# Altium PCB Battery_Converter.PcbDoc (part 2 of 2)
Units mm, origin at the board's own origin, x right, y up, seen from the top; angles counter-clockwise.
Board outline 240.65 x 121.03 mm, 2 copper layers (Power Layer, Signal Layer), stack 0.532 mm thick; 177 components, 92 nets, 492 pads, 60 vias.
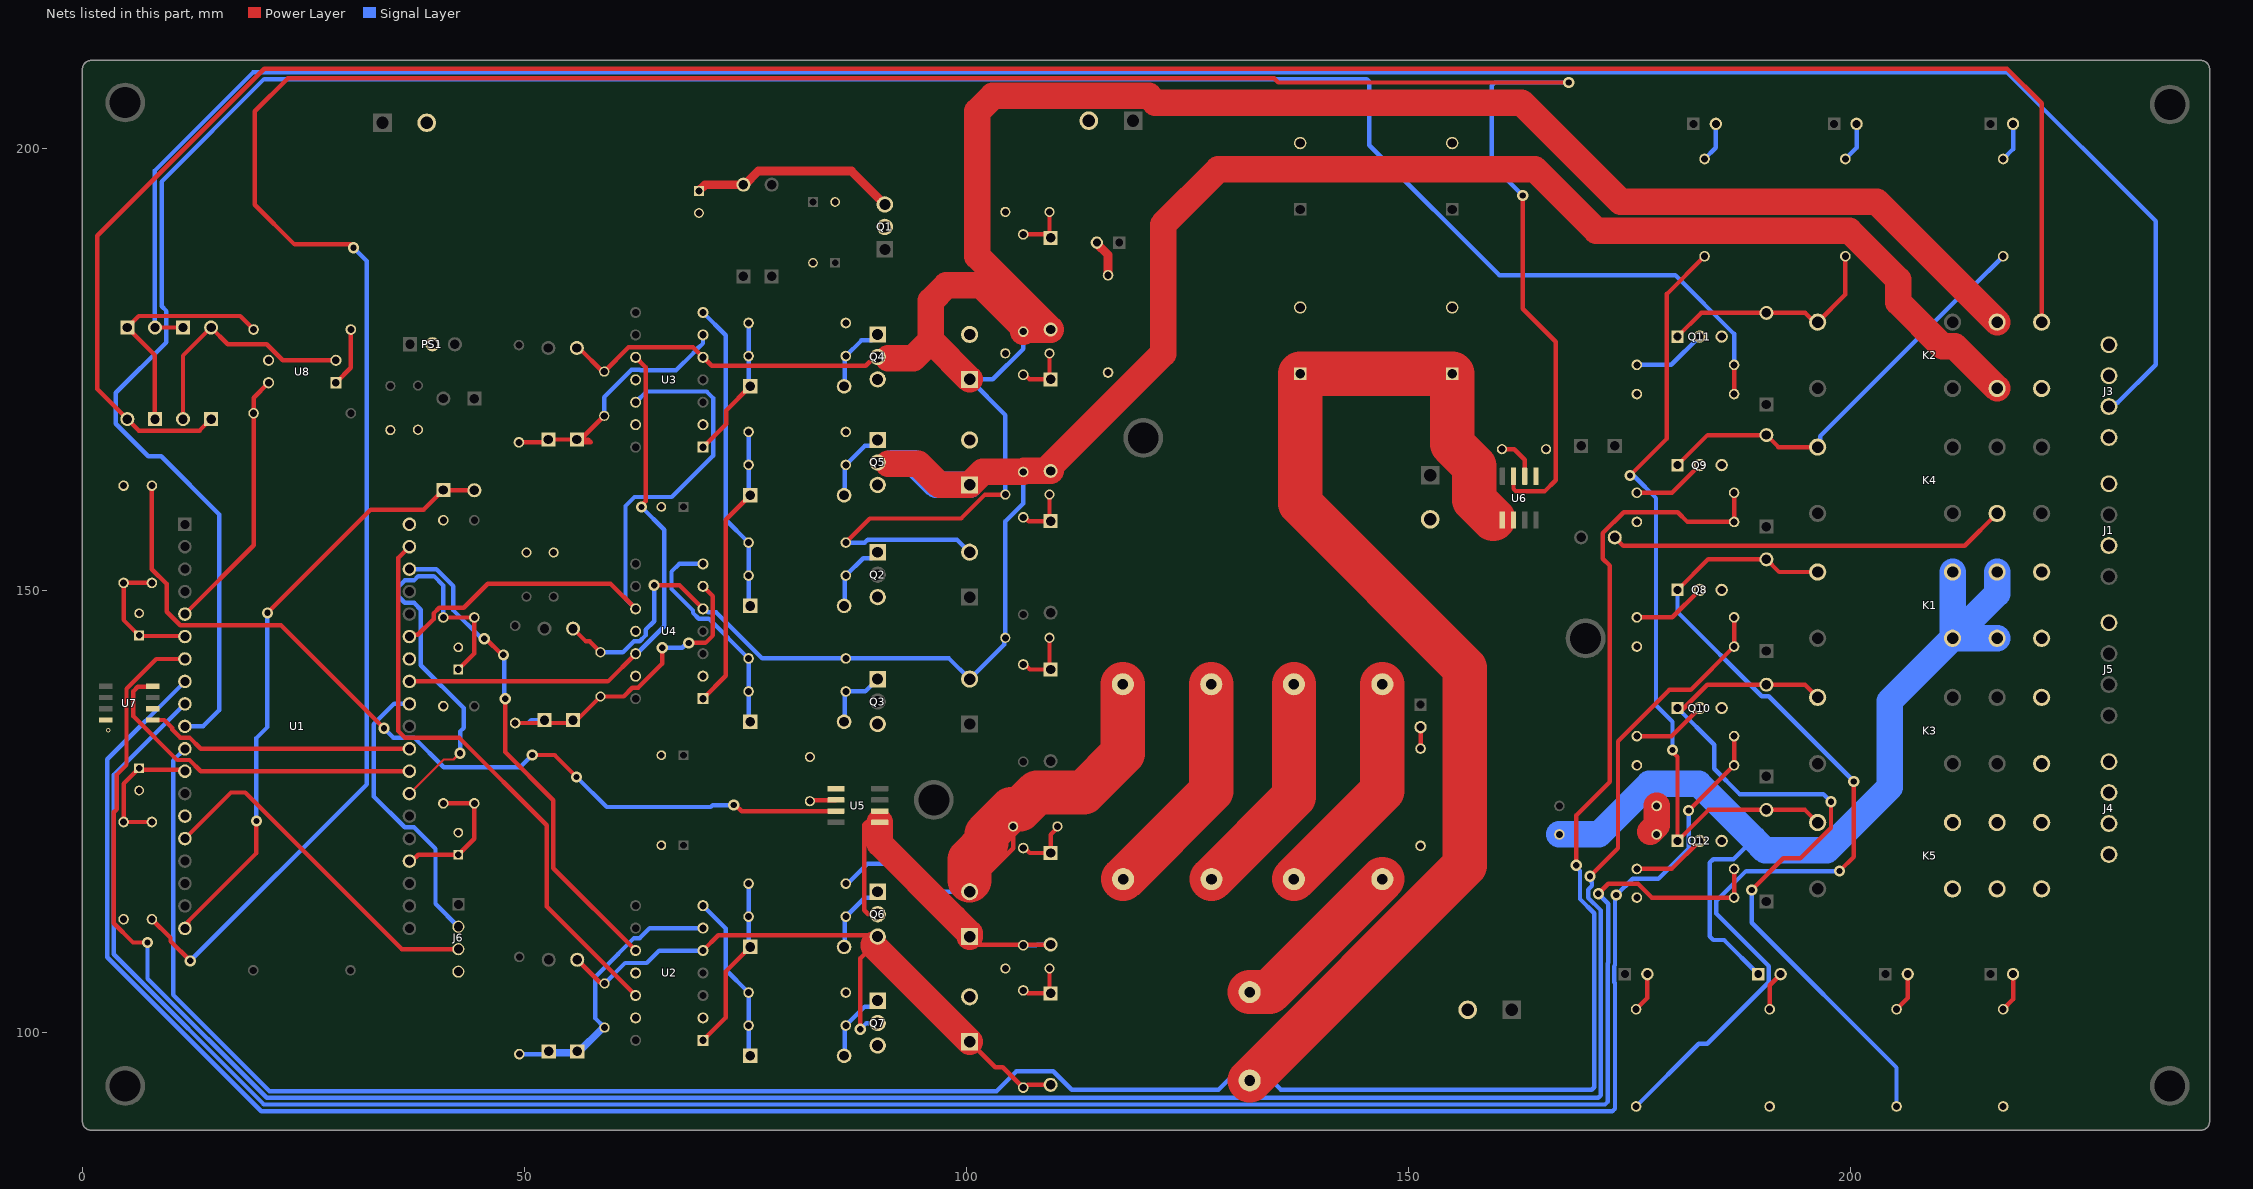
[diagram p2: the nets of this part, all layers, seen from the top]

## Via types
v1: diameter 1.27, hole 0.711, Power Layer to Signal Layer, tented both sides, 59 vias
v2: diameter 0.5, hole 0.3, Power Layer to Signal Layer, tented both sides, 1 vias

## Nets (pads, with @x,y where several pads share a name; then routed paths per layer and width w, separated by ;. In a path a pad name is that pad's centre, name@x,y a point inside that pad or via, vN(x,y) a via of type N, cw(c..) or ccw(c..) an arc to the next point about the centre after c; other vN are vias at no path point) (continued)
GND: C1.1 C2.1 C3.N C4.N C5.N C6.N C8.N C10.N C12.N C13.N C16.1 C17.1 C18.N C19.1 C20.N C22.1 C23.1 C24.N C25.N C26.1 C27.1 C28.N C29.N D20.3 D21.3 D27.3 J1.2 J1.4 J2.2 J5.4 J6.4 J7.2 J8.2 J9.2 K5.11 K5.12 K5.21 K5.22 PS1.2 Q1.2 Q4.3 Q5.3 Q7.3 Q8.3 Q9.3 Q10.3 Q11.3 Q12.3 R14.2 R15.2 R17.1 R19.1 R26.2 R27.1 R29.1 R30.2 R31.2 R34.2 R36.1 R38.1 R39.2 R41.1 R44.1 R45.1 U1.14 U1.32 U1.38 U2.2 U2.11 U2.13 U3.2 U3.11 U3.13 U4.2 U4.11 U4.13 U5.5 U6.5 U7.2 U7.8 U8.3
  other v2: 2.921,134.137
NetC5_P: C5.P D2.2 Q1.3 | length 23.5
  Power Layer w1: C5.P@69.748,195.154 70.452,195.858 D2.2@74.778,195.858 74.925,195.858 76.474,197.407 86.995,197.407 Q1.3@90.778,193.624
NetC7_1: C7.1 C21.1 D5.2 D23.3 D26.2 D27.1 L1.1 Q6.3 Q7.2 R22.2 R23.2 U2.5 | length 140.1
  Power Layer w0.5: D5.2@55.982,108.177 58.537,105.622 58.956,105.622 C7.1@59.08,105.497 ; U2.5@70.206,109.22 71.941,110.955 89.535,110.955 89.535,110.795 Q6.3@89.968,110.795 89.968,109.88 89.535,109.88 87.986,108.331 v1(87.986,100.305) ; D27.1@100.372,98.908 103.263,96.017 104.13,96.017 R23.2@106.435,93.712 106.624,93.712 106.936,94.024 D26.2@109.533,94.024 ; 100.372,117.17 99.492,117.17 99.492,115.875 D23.3@100.372,115.875 105.298,120.801 C21.1@105.298,123.266
  Power Layer w3: 89.535,109.88 89.535,109.745 D27.1@100.372,98.908
  Power Layer w5: 100.372,117.17 100.372,119.497 102.273,121.398 102.273,122.39 105.084,125.2 106.076,125.2 107.977,127.102 113.284,127.102 117.704,131.521 L1.1@117.704,139.344
  Signal Layer w0.5: C7.1@59.08,105.497 61.392,107.809 63.842,107.809 65.253,109.22 U2.5@70.206,109.22 ; R22.2@86.364,116.789 86.553,116.789 88.814,119.05 91.948,119.05 95.123,115.875 D23.3@100.372,115.875 ; v1(87.986,100.305) 88.697,101.016 Q7.2@89.968,101.016
NetC7_2: C7.2 D3.1 D5.1 R1.1 U2.6 | length 39
  Signal Layer w0.5: R1.1@49.428,97.497 55.982,97.497 56.08,97.497 C7.2@59.08,100.497 ; D3.1@52.756,97.817 D5.1@55.982,97.817 58.662,100.497 C7.2@59.08,100.497 ; U2.6@70.206,111.76 64.183,111.76 63.054,110.631 62.4,110.631 60.604,108.835 60.604,108.814 58.001,106.211 58.001,101.576 C7.2@59.08,100.497
NetC9_1: C9.1 C14.1 D7.2 D12.3 D16.2 D20.1 K2.11 Q3.3 Q5.2 R8.2 R10.2 U4.5 | length 255.2
  Power Layer w0.5: D7.2@55.508,145.642 56.963,144.187 57.382,144.187 C9.1@58.607,142.962 ; v1(64.678,150.533) 67.551,150.533 U4.5@70.206,147.879
  Power Layer w3: 91.145,164.313 94.552,164.313 96.965,161.9 D20.1@100.372,161.9 101.831,163.359 R10.2@106.435,163.359 106.551,163.476 D16.2@109.533,163.476 109.533,164.042 122.25,176.759 122.25,191.338 128.524,197.612 164.32,197.612 171.283,190.65 199.888,190.65 205.426,185.112 205.426,182.587 210.437,177.576 211.836,177.576 K2.11@216.607,172.805
  Signal Layer w0.5: C9.1@58.607,142.962 61.153,142.962 62.4,144.21 63.053,144.21 63.715,144.871 63.715,145.524 64.678,146.488 v1(64.678,150.533) ; U4.5@70.206,147.879 70.409,147.879 70.784,147.504 71.687,147.504 76.925,142.265 R8.2@86.364,142.265 98.035,142.265 D12.3@100.372,139.929 104.284,143.841 104.284,144.478 C14.1@104.409,144.602 104.409,157.765 106.435,159.791 R10.2@106.435,163.359 ; Q5.2@89.968,164.44 90.717,163.691
  Signal Layer w3: 91.338,164.313 91.627,164.313 91.65,164.336 94.135,164.336 96.571,161.9 D20.1@100.372,161.9
NetC9_2: C9.2 D6.1 D7.1 R2.1 U4.6 | length 40.6
  Power Layer w0.5: R2.1@48.955,134.962 D6.1@52.282,134.962 ; D7.1@55.508,135.282 55.508,134.962 D6.1@52.282,134.962 ; v1(65.608,143.485) 65.608,141.685 62.862,138.939 62.209,138.939 61.233,137.962 C9.2@58.607,137.962 55.607,134.962 D6.1@52.282,134.962 ; v1(68.605,144.018) 70.481,144.018 71.335,144.871 71.335,149.29 U4.6@70.206,150.419
  Signal Layer w0.5: R2.1@48.955,134.962 50.444,134.962 50.764,135.282 D6.1@52.282,135.282 ; v1(65.608,143.485) 67.864,143.485 68.397,144.018 v1(68.605,144.018)
NetC11_1: C11.1 C15.1 D9.2 D13.3 D19.2 D21.1 K2.21 Q2.3 Q4.2 R9.2 R11.2 U3.5 | length 300.9
  Power Layer w0.5: D9.2@55.94,177.392 56.183,177.392 58.863,174.712 C11.1@59.039,174.712 61.782,177.456 69.077,177.456 U3.5@70.206,176.327 70.247,176.327 71.199,175.375 88.606,175.375 Q4.2@89.608,176.378 ; R9.2@86.364,155.372 89.087,158.094 99.401,158.094 102.114,160.807 C15.1@104.409,160.807 ; 95.987,179.4 95.987,182.723 95.987,182.931 97.536,184.48 97.744,184.48 101.625,184.48 101.676,184.48 R11.2@106.678,179.478
  Power Layer w3: 91.145,176.251 94.014,176.251 95.987,178.223 ; D21.1@100.372,173.838 95.987,178.223 ; R11.2@106.435,179.234 106.435,179.671 101.625,184.48 97.744,184.48 95.987,182.723 95.987,179.4 95.987,178.223 ; R11.2@106.678,179.478 D19.2@109.533,179.478 101.244,187.767 101.244,204.145 103.002,205.902 120.634,205.902 121.397,205.139 162.805,205.139 174.041,193.904 203.009,193.904 K2.21@216.607,180.305
  Signal Layer w0.5: R9.2@86.364,155.372 88.502,155.372 88.837,155.706 98.945,155.706 D13.3@100.372,154.28 ; C15.1@104.409,160.807 104.409,169.801 D21.1@100.372,173.838 102.988,173.838 106.435,177.284 R11.2@106.435,179.234
NetC11_2: C11.2 D8.1 D9.1 R3.1 U3.6 | length 31.2
  Power Layer w0.5: R3.1@49.387,166.712 52.714,166.712 D8.1@52.714,167.032 D9.1@55.94,167.032 57.211,167.032 57.531,166.712 56.039,166.712 C11.2@59.039,169.712
  Signal Layer w0.5: C11.2@59.039,169.712 59.039,171.836 62.118,174.916 63.054,174.916 63.116,174.854 67.158,174.854 69.077,176.773 69.077,176.794 69.738,177.456 69.76,177.456 70.206,177.902 U3.6@70.206,178.867
NetC14_2: C14.2 D10.1 R4.1 | length 7
  Power Layer w0.5: R4.1@106.435,141.581 106.624,141.581 107.194,141.011 D10.1@109.533,141.011 109.409,141.136 C14.2@109.409,144.602
NetC15_2: C15.2 D11.1 R5.1 | length 6.3
  Power Layer w0.5: R5.1@106.435,158.23 106.624,158.23 107.054,157.8 D11.1@109.533,157.8 109.409,157.925 C15.2@109.409,160.807
NetC16_2: C16.2 D16.1 R10.1 | length 6.3
  Power Layer w0.5: R10.1@106.435,174.359 106.624,174.359 107.147,173.836 D16.1@109.533,173.836 109.409,173.961 C16.2@109.409,176.784
NetC17_2: C17.2 D19.1 R11.1 | length 6.5
  Power Layer w0.5: R11.1@106.435,190.234 109.137,190.234 109.533,190.234 D19.1@109.533,189.838 109.409,189.963 C17.2@109.409,192.786
NetC18_P: C18.P R16.2 R17.2 U1.26 | length 50.1
  Power Layer w0.254: U1.26@36.994,126.965 40.867,130.837 41.995,130.837 42.705,131.547 v1(42.723,131.547)
  Power Layer w0.5: R17.2@40.83,146.9 R16.2@44.335,146.9 44.335,142.824 C18.P@42.532,141.021
  Signal Layer w0.5: R17.2@40.83,146.9 40.83,150.519 39.766,151.583 38.008,151.583 37.518,151.094 36.469,151.094 35.726,150.35 35.726,149.299 36.471,148.554 37.52,148.554 38.29,147.784 38.29,141.494 43.129,136.655 43.129,134.408 42.723,134.002 v1(42.723,131.547)
NetC19_2: C19.2 U5.6 | length 3
  Power Layer w0.5: C19.2@82.296,126.115 82.395,126.213 85.207,126.213 U5.6@85.257,126.263
NetC20_P: C20.P R18.1 R19.2 U1.6 | length 15.1
  Power Layer w0.5: R18.1@7.861,150.808 R19.2@4.66,150.808 4.66,146.626 C20.P@6.413,144.873 6.477,144.809 11.53,144.809 U1.6@11.594,144.745
NetC21_2: C21.2 D22.1 R20.1 | length 6.7
  Power Layer w0.5: R20.1@106.435,120.816 106.624,120.816 107.181,120.259 D22.1@109.533,120.259 109.533,122.326 110.298,123.09 C21.2@110.298,123.266
NetC22_2: C22.2 U6.6 | length 4.9
  Power Layer w0.5: C22.2@160.593,165.938 161.976,165.938 163.17,164.744 U6.6@163.17,162.876
NetC23_2: C23.2 D26.1 R23.1 | length 6.1
  Power Layer w0.5: R23.1@106.435,104.712 106.624,104.712 106.952,104.384 D26.1@109.533,104.384 109.409,104.509 C23.2@109.409,107.188
NetC24_P: C24.P R25.1 R27.2 U1.23 | length 15.9
  Power Layer w0.5: U1.23@36.994,119.345 37.273,119.345 37.989,120.06 C24.P@42.532,120.06 44.335,121.863 R25.1@44.335,125.869 R27.2@40.83,125.869
NetC25_P: C25.P R28.1 R29.2 U1.12 | length 15.3
  Power Layer w0.5: R28.1@7.861,123.762 R29.2@4.66,123.762 4.66,128.077 C25.P@6.413,129.83 6.576,129.667 11.432,129.667 U1.12@11.594,129.505
NetC28_P: C28.P C29.P L5.2 U6.1 U6.2 | length 135.7
  Power Layer w0.5: 159.614,158.039 159.614,157.988 160.63,157.988 U6.1@160.63,157.926 U6.2@161.9,157.926
  Power Layer w5: L5.2@132.055,94.521 156.388,118.854 156.388,141.173 137.77,159.791 C29.P@137.77,174.472 C28.P@154.965,174.472 154.965,166.509 157.467,164.006 157.467,160.185 159.614,158.039
NetD1_2: D1.2 D39.1 U1.19 | length 68.7
  Power Layer w0.5: U1.19@11.594,111.725 11.594,112.003 11.952,112.36 11.952,112.51 19.685,120.244 v1(19.685,123.876) ; v1(20.93,147.422) 32.612,159.104 38.617,159.104 D39.1@40.83,161.317 40.855,161.292 D1.2@44.335,161.292
  Signal Layer w0.5: v1(19.685,123.876) 19.685,133.263 20.93,134.507 v1(20.93,147.422)
NetD14_A: D14.A Q3.1 R6.2 | length 7.7
  Signal Layer w0.5: D14.A@86.164,135.102 86.264,135.202 86.264,138.431 R6.2@86.364,138.531 88.571,138.531 Q3.1@89.968,139.929
NetD14_C: D14.C R6.1 R8.1 U4.7 | length 25.3
  Signal Layer w0.5: U4.7@70.206,152.959 67.513,152.959 66.646,152.091 66.646,150.118 69.077,147.687 69.077,147.411 69.738,146.75 70.879,146.75 R8.1@75.364,142.265 R6.1@75.364,138.531 75.364,135.302 D14.C@75.564,135.102
NetD15_A: D15.A Q2.1 R7.2 | length 8.2
  Signal Layer w0.5: D15.A@86.164,148.209 86.264,148.309 86.264,151.538 R7.2@86.364,151.638 88.333,153.607 89.295,153.607 Q2.1@89.968,154.28
NetD15_C: D15.C R7.1 R9.1 U3.7 | length 35.4
  Signal Layer w0.5: U3.7@70.206,181.407 72.79,178.823 72.79,157.946 R9.1@75.364,155.372 R7.1@75.364,151.638 75.364,148.409 D15.C@75.564,148.209
NetD17_A: D17.A Q5.1 R12.2 | length 8.3
  Signal Layer w0.5: D17.A@86.164,160.731 86.264,160.831 86.264,164.06 R12.2@86.364,164.16 88.511,166.307 89.295,166.307 Q5.1@89.968,166.98
NetD17_C: D17.C R12.1 R14.1 U4.1 | length 32.5
  Power Layer w0.5: U4.1@70.206,137.719 72.785,140.298 72.785,157.952 D17.C@75.564,160.731
  Signal Layer w0.5: R14.1@75.364,167.894 R12.1@75.364,164.16 75.364,160.931 D17.C@75.564,160.731
NetD18_A: D18.A Q4.1 R13.2 | length 8.1
  Signal Layer w0.5: D18.A@86.164,173.05 86.264,173.15 86.264,176.379 R13.2@86.364,176.479 88.13,178.245 89.295,178.245 Q4.1@89.968,178.918
NetD18_C: D18.C R13.1 R15.1 U3.1 | length 16.3
  Power Layer w0.5: U3.1@70.206,166.167 72.831,168.792 72.831,170.317 D18.C@75.564,173.05
  Signal Layer w0.5: R15.1@75.364,180.213 R13.1@75.364,176.479 75.364,173.25 D18.C@75.564,173.05
NetD22_2: D22.2 D23.1 Q6.2 R20.2 U5.1 U5.2 | length 44.3
  Power Layer w0.5: Q6.2@89.968,113.335 88.9,113.335 88.443,113.792 88.443,123.444 88.722,123.723 U5.1@90.207,123.723 U5.2@90.207,124.993 ; D23.1@100.372,110.795 101.268,109.899 D22.2@109.533,109.899
  Power Layer w3: U5.1@90.207,123.723 90.207,121.32 98.61,112.916 98.615,112.916 100.372,111.159 D23.1@100.372,110.795
  Signal Layer w0.5: R20.2@106.435,109.816 107.925,109.816 108.008,109.899 D22.2@109.533,109.899
NetD24_A: D24.A Q6.1 R21.2 | length 8.3
  Signal Layer w0.5: D24.A@86.164,109.626 86.264,109.726 86.264,112.955 R21.2@86.364,113.055 88.511,115.203 89.295,115.203 Q6.1@89.968,115.875
NetD24_C: D24.C R21.1 R22.1 U2.1 | length 20
  Power Layer w0.5: U2.1@70.206,99.06 72.785,101.639 72.785,106.847 D24.C@75.564,109.626
  Signal Layer w0.5: R22.1@75.364,116.789 R21.1@75.364,113.055 75.364,109.826 D24.C@75.564,109.626
NetD25_A: D25.A Q7.1 R24.2 | length 8.3
  Signal Layer w0.5: D25.A@86.164,97.307 86.264,97.407 86.264,100.636 R24.2@86.364,100.736 88.511,102.884 89.295,102.884 Q7.1@89.968,103.556
NetD25_C: D25.C R24.1 R26.1 U2.7 | length 19.2
  Signal Layer w0.5: U2.7@70.206,114.3 72.79,111.716 72.79,107.044 R26.1@75.364,104.47 R24.1@75.364,100.736 75.364,97.507 D25.C@75.564,97.307
NetD29_2: D29.2 K4.11 | length 45.2
  Power Layer w0.5: D29.2@173.355,155.958 174.296,155.016 212.949,155.016 K4.11@216.607,158.674
NetD30_2: D30.2 K1.A2 Q8.1 R49.2 | length 106.9
  Power Layer w0.5: Q8.1@180.456,150.018 183.913,153.474 D30.2@190.511,153.474 191.941,152.044 K1.A2@196.307,152.044 ; v1(198.78,118.212) 200.381,119.812 v1(200.381,128.346)
  Signal Layer w0.5: R49.2@175.768,91.579 182.868,98.678 183.824,98.678 190.79,105.644 190.79,107.461 184.84,113.411 184.84,114.837 188.214,118.212 v1(198.78,118.212) ; Q8.1@180.456,150.018 180.456,147.51 189.973,137.993 190.767,137.993 200.381,128.38 v1(200.381,128.346)
NetD31_2: D31.2 K4.A2 Q9.1 R50.2 | length 48.3
  Power Layer w0.5: Q9.1@180.456,164.14 183.853,167.537 D31.2@190.511,167.537 191.874,166.174 K4.A2@196.307,166.174
  Signal Layer w0.5: K4.A2@196.307,166.174 196.584,166.451 196.584,167.414 213.446,184.276 213.805,184.276 R50.2@217.297,187.768
NetD32_2: D32.2 K3.A2 Q10.1 R51.2 | length 87.5
  Power Layer w0.5: Q10.1@180.456,136.657 180.456,136.289 180.824,136.289 183.828,139.292 D32.2@190.511,139.292 194.877,139.292 K3.A2@196.307,137.862 ; v1(188.849,116.078) 192.426,119.655 194.356,119.655 197.815,123.115 v1(197.815,126.06)
  Signal Layer w0.5: Q10.1@180.456,136.657 184.602,132.512 184.602,129.8 187.477,126.924 196.952,126.924 v1(197.815,126.06) ; v1(188.849,116.078) 188.849,112.366 205.232,95.983 R51.2@205.232,91.578
NetD33_2: D33.2 K2.A2 Q11.1 R52.2 | length 26.2
  Power Layer w0.5: Q11.1@180.456,178.677 183.133,181.354 D33.2@190.511,181.354 194.917,181.354 195.965,180.305 K2.A2@196.307,180.305 199.441,183.439 R52.2@199.441,187.768
NetD34_2: D34.2 K5.A2 Q12.1 R53.2 | length 90
  Power Layer w0.5: v1(175.089,162.973) 179.252,167.136 179.252,183.505 R53.2@183.515,187.768 ; v1(179.883,131.902) 179.883,131.694 180.456,131.121 180.456,122.357 Q12.1@180.456,121.621 183.963,125.128 D34.2@190.511,125.128 194.877,125.128 K5.A2@196.307,123.698
  Signal Layer w0.5: v1(175.089,162.973) 175.236,162.826 175.602,162.826 178.024,160.404 178.024,136.976 179.883,135.118 v1(179.883,131.902)
NetD35_1: D35.1 D36.2 J3.1 J3.2 K2.14 | length 282.3
  Power Layer w0.5: D36.2@8.208,179.703 D35.1@11.383,179.703
  Signal Layer w0.5: D36.2@8.208,179.703 8.208,197.464 19.304,208.559 217.729,208.559 234.544,191.745 234.544,175.489 230.241,171.186 230.067,171.186 229.64,170.759 J3.2@229.26,170.759
NetD35_2: D35.2 D37.2 U8.2 | length 27.3
  Power Layer w0.5: D35.2@11.383,169.343 11.383,176.528 D37.2@14.558,179.703 16.443,177.818 20.842,177.818 22.664,175.997 U8.2@28.68,175.997
NetD36_1: D36.1 D38.1 R47.1 | length 27.1
  Power Layer w0.5: D36.1@8.208,169.343 8.208,176.579 D38.1@5.084,179.703 6.383,181.002 17.845,181.002 R47.1@19.37,179.476
NetD37_1: D37.1 D38.2 J3.3 J3.4 K2.24 | length 286.9
  Power Layer w0.5: D37.1@14.558,169.343 13.259,168.044 6.383,168.044 D38.2@5.084,169.343 1.676,172.75 1.676,190.094 20.574,208.991 217.729,208.991 221.647,205.073 K2.24@221.647,180.305
NetDS1_2: DS1.2 R30.1 | length 2.4
  Power Layer w0.5: R30.1@151.384,132.069 DS1.2@151.384,134.493
NetDS2_2: DS2.2 R31.1 | length 4.2
  Power Layer w1: DS2.2@114.757,189.306 114.757,189.198 116.027,187.928 R31.1@116.027,185.612
NetDS3_1: DS3.1 K1.11 K1.12 K1.21 K1.22 R33.2 | length 109.4
  Signal Layer w0.5: 189.078,121.844 186.789,119.555 184.494,119.555 184.086,119.147 184.086,110.822 184.494,110.414 185.724,110.414 DS3.1@189.586,106.553
  Signal Layer w3: R33.2@167.093,122.352 171.538,122.352 177.253,128.067 182.855,128.067 189.078,121.844 190.373,120.548 197.328,120.548 204.447,127.668 204.447,137.425 K1.12@211.567,144.544 ; K1.22@211.567,152.044 K1.12@211.567,144.544 ; K1.11@216.607,144.544 K1.12@211.567,144.544 ; K1.21@216.607,152.044 216.607,149.584 K1.12@211.567,144.544
NetDS3_2: DS3.2 R34.1 | length 4.5
  Power Layer w0.5: R34.1@190.881,102.579 190.881,105.308 DS3.2@192.126,106.553
NetDS4_2: DS4.2 R39.1 | length 4.4
  Power Layer w0.5: R39.1@217.297,102.578 218.415,103.696 DS4.2@218.415,106.552
NetDS5_2: DS5.2 R49.1 | length 4.5
  Power Layer w0.5: R49.1@175.768,102.579 177.038,103.849 DS5.2@177.038,106.553
NetDS6_2: DS6.2 R50.1 | length 4.4
  Signal Layer w0.5: R50.1@217.297,198.768 218.415,199.886 DS6.2@218.415,202.742
NetDS7_2: DS7.2 R51.1 | length 4.5
  Power Layer w0.5: R51.1@205.232,102.578 206.502,103.848 DS7.2@206.502,106.552
NetDS8_2: DS8.2 R52.1 | length 4.5
  Signal Layer w0.5: R52.1@199.441,198.768 200.711,200.038 DS8.2@200.711,202.742
NetDS9_2: DS9.2 R53.1 | length 4.5
  Signal Layer w0.5: R53.1@183.515,198.768 184.785,200.038 DS9.2@184.785,202.742
NetJ4_1: J4.1 J4.2 K1.14 K1.24 K3.14 K3.24
NetJ4_3: J4.3 J4.4 K5.14 K5.24
NetJ6_2: J6.2 U1.30 | length 32.5
  Signal Layer w0.5: U1.30@36.994,137.125 35.26,137.125 32.973,134.838 32.973,126.651 36.469,123.156 37.518,123.156 39.942,120.732 39.942,114.503 J6.2@42.532,111.912
NetJ6_3: J6.3 U1.15 | length 40.4
  Power Layer w0.5: U1.15@11.594,121.885 16.811,127.102 18.415,127.102 36.144,109.372 J6.3@42.532,109.372
NetL1_2: L1.2 L2.1 | length 26.2
  Power Layer w5: L2.1@117.736,117.297 127.704,127.264 L1.2@127.704,139.344
NetL2_2: L2.2 L3.1 | length 25.9
  Power Layer w5: L2.2@127.736,117.297 137.058,126.619 L3.1@137.058,139.344
NetL3_2: L3.2 L4.1 | length 26.2
  Power Layer w5: L4.1@137.059,117.297 147.058,127.297 L3.2@147.058,139.344
NetL4_2: L4.2 L5.1 | length 20.3
  Power Layer w5: L5.1@132.055,104.521 134.283,104.521 L4.2@147.059,117.297
NetQ8_2: Q8.2 R35.1 | length 8.4
  Power Layer w0.5: R35.1@175.856,146.914 179.852,146.914 Q8.2@182.956,150.018
NetQ9_2: Q9.2 R37.1 | length 8.4
  Power Layer w0.5: R37.1@175.856,161.011 179.826,161.011 Q9.2@182.956,164.14
NetQ10_2: Q10.2 R40.1 | length 8.4
  Power Layer w0.5: R40.1@175.856,133.477 179.776,133.477 Q10.2@182.956,136.657
NetQ11_2: Q11.2 R42.1 | length 8.4
  Signal Layer w0.5: R42.1@175.856,175.477 179.756,175.477 Q11.2@182.956,178.677
NetQ12_2: Q12.2 R43.1 | length 8.4
  Power Layer w0.5: R43.1@175.856,118.451 179.786,118.451 Q12.2@182.956,121.621
NetR18_2: R18.2 U5.7 | length 101.3
  Power Layer w0.5: R18.2@7.861,161.808 7.861,152.369 9.532,150.698 9.532,147.553 11.071,146.014 22.465,146.014 v1(34.112,134.366) ; v1(50.902,131.343) 53.416,131.343 v1(55.905,128.854) ; v1(73.685,125.679) 73.894,125.679 74.58,124.993 U5.7@85.257,124.993
  Signal Layer w0.5: v1(34.112,134.366) 35.165,133.314 37.52,133.314 40.874,129.96 49.518,129.96 v1(50.902,131.343) ; v1(55.905,128.854) 59.305,125.455 71.074,125.455 71.299,125.679 v1(73.685,125.679)
NetR28_2: R28.2 U6.7 | length 333.6
  Power Layer w0.5: R28.2@7.861,112.762 9.968,110.655 9.968,110.276 v1(12.192,108.052) ; v1(30.658,188.722) 30.658,188.81 30.365,189.103 24.003,189.103 19.507,193.599 19.507,204.165 23.248,207.906 134.813,207.906 135.299,207.42 v1(168.148,207.42) ; U6.7@161.9,162.876 161.9,161.456 162.193,161.163 165.405,161.163 166.672,162.431 166.672,178.096 162.941,181.827 v1(162.941,194.64)
  Signal Layer w0.5: v1(12.192,108.052) 32.156,128.016 32.156,187.223 v1(30.658,188.722) ; v1(162.941,194.64) 159.436,198.145 159.436,207.073 159.783,207.42 v1(168.148,207.42)
NetR32_2: R32.2 R33.1 | length 4.2
  Power Layer w0.5: 177.394,122.682 178.093,122.682 R33.1@178.093,122.352
  Power Layer w3: 177.394,122.682 178.093,123.381 R32.2@178.093,125.578
NetR35_2: R35.2 R36.2 U1.7 | length 277.1
  Power Layer w0.5: v1(7.366,110.134) 5.726,110.134 3.556,112.305 3.556,124.859 3.906,125.209 3.906,129.136 4.986,130.216 4.986,138.844 8.347,142.205 U1.7@11.594,142.205 ; v1(170.561,117.627) 173.719,120.785 173.719,132.901 179.524,138.706 181.95,138.706 R36.2@186.856,143.612 R35.2@186.856,146.914
  Signal Layer w0.5: v1(7.366,110.134) 7.366,106.044 20.851,92.559 171.493,92.559 171.786,92.852 171.786,113.75 170.362,115.174 170.362,116.118 170.779,116.535 170.779,116.95 170.708,117.02 170.708,117.48 v1(170.561,117.627)
NetR37_2: R37.2 R38.2 U1.11 | length 282.9
  Power Layer w0.5: v1(168.986,118.872) 168.986,124.504 172.807,128.325 172.807,152.745 172.009,153.543 172.009,156.448 174.373,158.813 180.481,158.813 181.585,157.709 R38.2@186.856,157.709 R37.2@186.856,161.011
  Signal Layer w0.5: U1.11@11.594,132.045 10.262,130.712 10.262,104.214 21.163,93.313 103.408,93.313 105.665,95.57 109.824,95.57 111.924,93.47 128.523,93.47 131.328,96.275 132.781,96.275 135.586,93.47 170.739,93.47 171.032,93.763 171.032,113.438 169.422,115.048 169.422,118.228 168.986,118.664 v1(168.986,118.872)
NetR40_2: R40.2 R41.2 U1.8 | length 262.5
  Power Layer w0.5: v1@173.324,115.494 v1(173.533,115.494) ; v1(181.712,125.07) 181.731,125.07 186.837,130.175 R41.2@186.856,130.175 R40.2@186.856,133.477
  Signal Layer w0.5: U1.8@11.594,139.665 2.802,130.872 2.802,108.475 20.226,91.051 173.093,91.051 173.385,91.344 173.385,105.552 173.294,105.644 173.294,107.461 173.385,107.553 173.385,115.346 v1(173.533,115.494) 175.386,117.347 178.295,117.347 181.712,120.763 v1(181.712,125.07)
NetR42_2: R42.2 R44.2 U1.10 | length 278.4
  Power Layer w0.5: R44.2@186.856,172.175 R42.2@186.856,175.477
  Signal Layer w0.5: U1.10@11.594,134.585 13.655,134.585 15.494,136.423 15.494,158.547 8.915,165.125 7.464,165.125 3.785,168.805 3.785,172.323 9.507,178.045 9.507,181.563 8.962,182.108 8.962,196.211 20.557,207.805 145.3,207.805 145.593,207.513 145.593,200.324 160.282,185.635 180.201,185.635 186.856,178.98 R42.2@186.856,175.477
NetR43_2: R43.2 R45.2 U1.9 | length 251.6
  Power Layer w0.5: v1(171.501,115.646) 172.618,116.764 175.982,116.764 177.531,115.214 R45.2@186.856,115.214 R43.2@186.856,118.451
  Signal Layer w0.5: U1.9@11.594,137.125 3.556,129.086 3.556,108.787 20.538,91.805 172.247,91.805 172.54,92.098 172.54,107.774 172.631,107.865 172.631,114.516 v1(171.501,115.646)
NetR46_1: R46.1 U1.5 U8.4 | length 30.1
  Power Layer w0.5: U1.5@11.594,147.285 19.37,155.06 R46.1@19.37,170.002 19.37,171.767 U8.4@21.06,173.457
NetR47_2: R47.2 U8.1 | length 6.7
  Power Layer w0.5: U8.1@28.68,173.457 30.37,175.147 R47.2@30.37,179.476
NetU1_27: U1.27 U7.4 | length 39.1
  Power Layer w0.5: U7.4@7.945,139.116 7.895,139.066 6.275,139.066 5.74,138.532 5.74,135.748 10.713,130.776 12.118,130.776 13.389,129.505 U1.27@36.994,129.505
NetU1_28: U1.28 U7.1 | length 30.5
  Power Layer w0.5: U7.1@7.945,135.306 9.246,135.306 10.157,134.394 10.157,134.227 11.069,133.316 12.118,133.316 13.389,132.045 U1.28@36.994,132.045
NetU1_31: U1.31 U3.10 U4.12 | length 63.6
  Power Layer w0.5: U1.31@36.994,139.665 59.451,139.665 U4.12@62.586,142.799 ; U3.10@62.586,176.327 63.715,175.198 63.715,160.066 63.246,159.597 v1(63.246,159.389)
  Signal Layer w0.5: U4.12@62.586,142.799 62.709,142.799 65.817,145.907 65.817,156.818 v1(63.246,159.389)
NetU1_33: U1.33 U3.12 U4.10 | length 70.1
  Power Layer w0.5: U1.33@36.994,144.745 37.183,144.933 37.948,144.933 39.726,146.711 39.726,147.357 40.373,148.004 43.153,148.004 45.872,150.724 59.741,150.724 U4.10@62.586,147.879
  Signal Layer w0.5: U4.10@62.586,147.879 61.443,149.022 61.443,159.512 62.459,160.528 66.675,160.528 71.349,165.202 71.349,171.729 70.612,172.466 63.805,172.466 U3.12@62.586,171.247
NetU1_36: U1.36 U2.10 | length 55.9
  Power Layer w0.5: v1(45.474,144.501) 45.635,144.501 47.466,142.67 v1(47.627,142.67) ; v1(47.828,137.693) 47.828,131.684 53.281,126.232 53.281,118.525 U2.10@62.586,109.22
  Signal Layer w0.5: U1.36@36.994,152.365 40.05,152.365 41.978,150.437 41.978,147.696 45.026,144.648 45.327,144.648 v1(45.474,144.501) ; v1(47.627,142.67) 47.727,142.569 47.727,137.794 v1(47.828,137.693)
NetU1_37: U1.37 U2.12 | length 66
  Power Layer w0.5: U1.37@36.994,154.905 35.726,153.636 35.726,134.059 36.469,133.316 42.611,133.316 52.527,123.4 52.527,114.199 U2.12@62.586,104.14
pads on no net: ?.1 J5.3 J6.1 K2.12 K2.22 K4.12 K4.21 K4.22 K4.24 U1.2 U1.3 U1.4 U1.13 U1.16 U1.17 U1.18 U1.20 U1.21 U1.22 U1.24 U1.25 U1.29 U1.34 U1.35 U2.4 U2.8 U2.14 U3.4 U3.8 U3.14 U4.4 U4.8 U4.14

## Polygon pours and split planes (outlines as drawn)
GND on Power Layer "GND_L01_P018" (solid, remove dead copper, pour order 18): 0,89.891 0,208.922 cw(c1,208.922) 1,209.922 239.649,209.922 cw(c239.649,208.922) 240.649,208.922 240.649,89.891 cw(c239.649,89.891) 239.649,88.891 1,88.891 cw(c1,89.891)
+12 on Power Layer "+12_L01_P003" (solid, remove dead copper, pour order 3): 208.864,140.36 209.067,140.36 219.481,140.36 219.481,127.66 208.864,127.66
+24 on Power Layer "+24_L01_P012" (solid, remove dead copper, pour order 12): 88.849,138.481 102.235,138.481 102.235,132.842 95.047,132.842 95.047,136.169 88.849,136.169
NetC11_1 on Power Layer "NETC11_1_L01_P009" (solid, remove dead copper, pour order 9): 88.849,177.47 102.235,177.47 102.235,171.831 95.047,171.831 95.047,175.158 88.849,175.158
NetC9_1 on Power Layer "NETC9_1_L01_P010" (solid, remove dead copper, pour order 10): 88.849,165.532 102.235,165.532 102.235,159.893 95.047,159.893 95.047,163.22 88.849,163.22
NetD22_2 on Power Layer "NETD22_2_L01_P013" (solid, remove dead copper, pour order 13): 88.849,114.427 102.235,114.427 102.235,108.788 95.047,108.788 95.047,112.116 88.849,112.116
+24 on Power Layer "+24_L01_P011" (solid, remove dead copper, pour order 11): 88.849,152.832 102.235,152.832 102.235,147.193 95.047,147.193 95.047,150.52 88.849,150.52
NetD35_1 on Power Layer "NETD35_1_L01_P006" (solid, remove dead copper, pour order 6): 219.913,175.108 224.053,175.108 224.282,175.108 224.282,172.364 231.724,172.364 231.724,171.958 231.724,165.633 224.663,165.633 224.663,168.351 219.913,168.351
NetC7_1 on Power Layer "NETC7_1_L01_P014" (solid, remove dead copper, pour order 14): 88.849,102.54 102.235,102.54 102.235,96.901 95.047,96.901 95.047,100.229 88.849,100.229
NetDS3_1 on Power Layer "NETDS3_1_L01_P007" (solid, remove dead copper, pour order 7): 208.864,154.543 209.067,154.543 219.481,154.543 219.481,141.843 208.864,141.843
NetD37_1 on Power Layer "NETD37_1_L01_P005" (solid, remove dead copper, pour order 5): 220.167,182.448 220.243,182.372 232.054,182.372 232.054,172.72 231.673,172.72 224.866,172.72 224.866,176.022 220.167,176.022
GND on Power Layer "GND_L01_P001" (solid, remove dead copper, pour order 1): 209.55,125.425 219.1,125.425 219.1,113.97 209.55,113.97
NetJ4_3 on Power Layer "NETJ4_3_L01_P000" (solid, remove dead copper, pour order 0): 219.888,125.324 220.269,125.324 231.318,125.324 231.318,112.395 230.988,112.395 219.888,112.395
GND on Signal Layer "GND_L02_P019" (solid, remove dead copper, pour order 19): 0,89.891 0,208.922 cw(c1,208.922) 1,209.922 239.649,209.922 cw(c239.649,208.922) 240.649,208.922 240.649,89.891 cw(c239.649,89.891) 239.649,88.891 1,88.891 cw(c1,89.891)
NetDS3_1 on Signal Layer "NETDS3_1_L02_P008" (solid, remove dead copper, pour order 8): 208.864,154.543 209.067,154.543 219.481,154.543 219.481,141.843 208.864,141.843
NetC7_1 on Signal Layer "NETC7_1_L02_P017" (solid, remove dead copper, pour order 17): 88.392,112.116 88.443,112.065 93.167,112.065 93.167,118.085 95.91,118.085 103.683,118.085 103.683,112.522 97.612,112.522 97.612,108.509 97.612,108.153 96.647,108.153 88.443,108.153
NetC9_1 on Signal Layer "NETC9_1_L02_P016" (solid, remove dead copper, pour order 16): 88.392,136.169 88.443,136.119 93.167,136.119 93.167,142.138 95.91,142.138 103.683,142.138 103.683,136.576 97.612,136.576 97.612,132.563 97.612,132.207 96.647,132.207 88.443,132.207
NetC11_1 on Signal Layer "NETC11_1_L02_P015" (solid, remove dead copper, pour order 15): 88.265,150.393 88.316,150.343 93.04,150.343 93.04,156.362 95.783,156.362 103.556,156.362 103.556,150.8 97.485,150.8 97.485,146.787 97.485,146.431 96.52,146.431 88.316,146.431
NetJ4_1 on Signal Layer "NETJ4_1_L02_P004" (solid, remove dead copper, pour order 4): 220.105,154.356 224.79,154.356 224.79,133.299 224.79,132.918 224.79,132.486 231.673,132.486 231.673,125.654 220.105,125.654
GND on Signal Layer "GND_L02_P002" (solid, remove dead copper, pour order 2): 209.55,125.425 219.1,125.425 219.1,113.97 209.55,113.97

## Keep-outs
Keep-Out Layer:
  the board outline again, w0.18

## Silkscreen, mask and mechanical layers (free items; w line width, h text height)
Top Overlay:
  lines w0.18: 42.443,199.263 ccw(c42.697,199.263) 42.697,199.009 75.082,199.009 ccw(c75.082,199.263) 75.336,199.263 75.336,207.086 ccw(c75.082,207.086) 75.082,207.34 42.697,207.34 ccw(c42.697,207.086) 42.443,207.086 42.443,199.263 ; 76.581,199.365 ccw(c76.835,199.365) 76.835,199.111 109.22,199.111 ccw(c109.22,199.365) 109.474,199.365 109.474,207.188 ccw(c109.22,207.188) 109.22,207.442 76.835,207.442 ccw(c76.835,207.188) 76.581,207.188 76.581,199.365 ; 115.849,151.917 ccw(c116.103,151.917) 116.103,151.663 148.488,151.663 ccw(c148.488,151.917) 148.742,151.917 148.742,159.741 ccw(c148.488,159.741) 148.488,159.995 116.103,159.995 ccw(c116.103,159.741) 115.849,159.741 115.849,151.917 ; 154.254,107.188 ccw(c154.508,107.188) 154.508,106.934 164.084,106.934 ccw(c164.084,107.188) 164.338,107.188 164.338,154.076 ccw(c164.084,154.076) 164.084,154.33 154.508,154.33 ccw(c154.508,154.076) 154.254,154.076 154.254,107.188
  text "MAIN- RQST" at 178.714,205.689 h1
  text "MAINS RQST" at 194.793,205.689 h1
  text "RELAY POWER  RQST" at 209.398,205.689 h1
  text "FAN 2" at 91.872,202.819 h1
  text "FAN 1" at 56.032,202.794 h1
  text "F" at 239.573,175.489 h1 r90
  text "N" at 239.573,168.046 h1 r90
  text "GND" at 239.573,160.797 h1 r90
  text "5V" at 239.573,157.81 h1 r90
  text "FAN 3" at 129.921,154.889 h1
  text "ALUMINIUM PLATE" at 94.717,154.838 h1 r270
  text "GND" at 239.573,153.797 h1 r90
  text "3.3V" at 239.573,149.377 h1 r90
  text "GND" at 239.573,145.074 h1 r90
  text "CANL" at 239.573,138.074 h1 r90
  text "CANH" at 239.573,133.553 h1 r90
  text "FAN 4" at 159.461,132.156 h1 r270
  text "BAT+" at 239.573,127.102 h1 r90
  text "BAT-" at 239.573,119.761 h1 r90
  text "Pre-Charge RQST" at 168.707,109.63 h1
  text "Pre-Charge EN" at 185.293,109.63 h1
  text "MAIN+ RQST" at 200.584,109.296 h1
  text "MAIN+ EN" at 213.97,109.296 h1